# Altium PCB PCB1.PcbDoc
Units mm, origin at the board's own origin, x right, y up, seen from the top; angles counter-clockwise.
Board outline 122.04 x 124.58 mm, 2 copper layers (Top Layer, Bottom Layer); 41 components, 23 nets, 146 pads, 10 vias.
Unrouted connection lines stored in the file: 1.
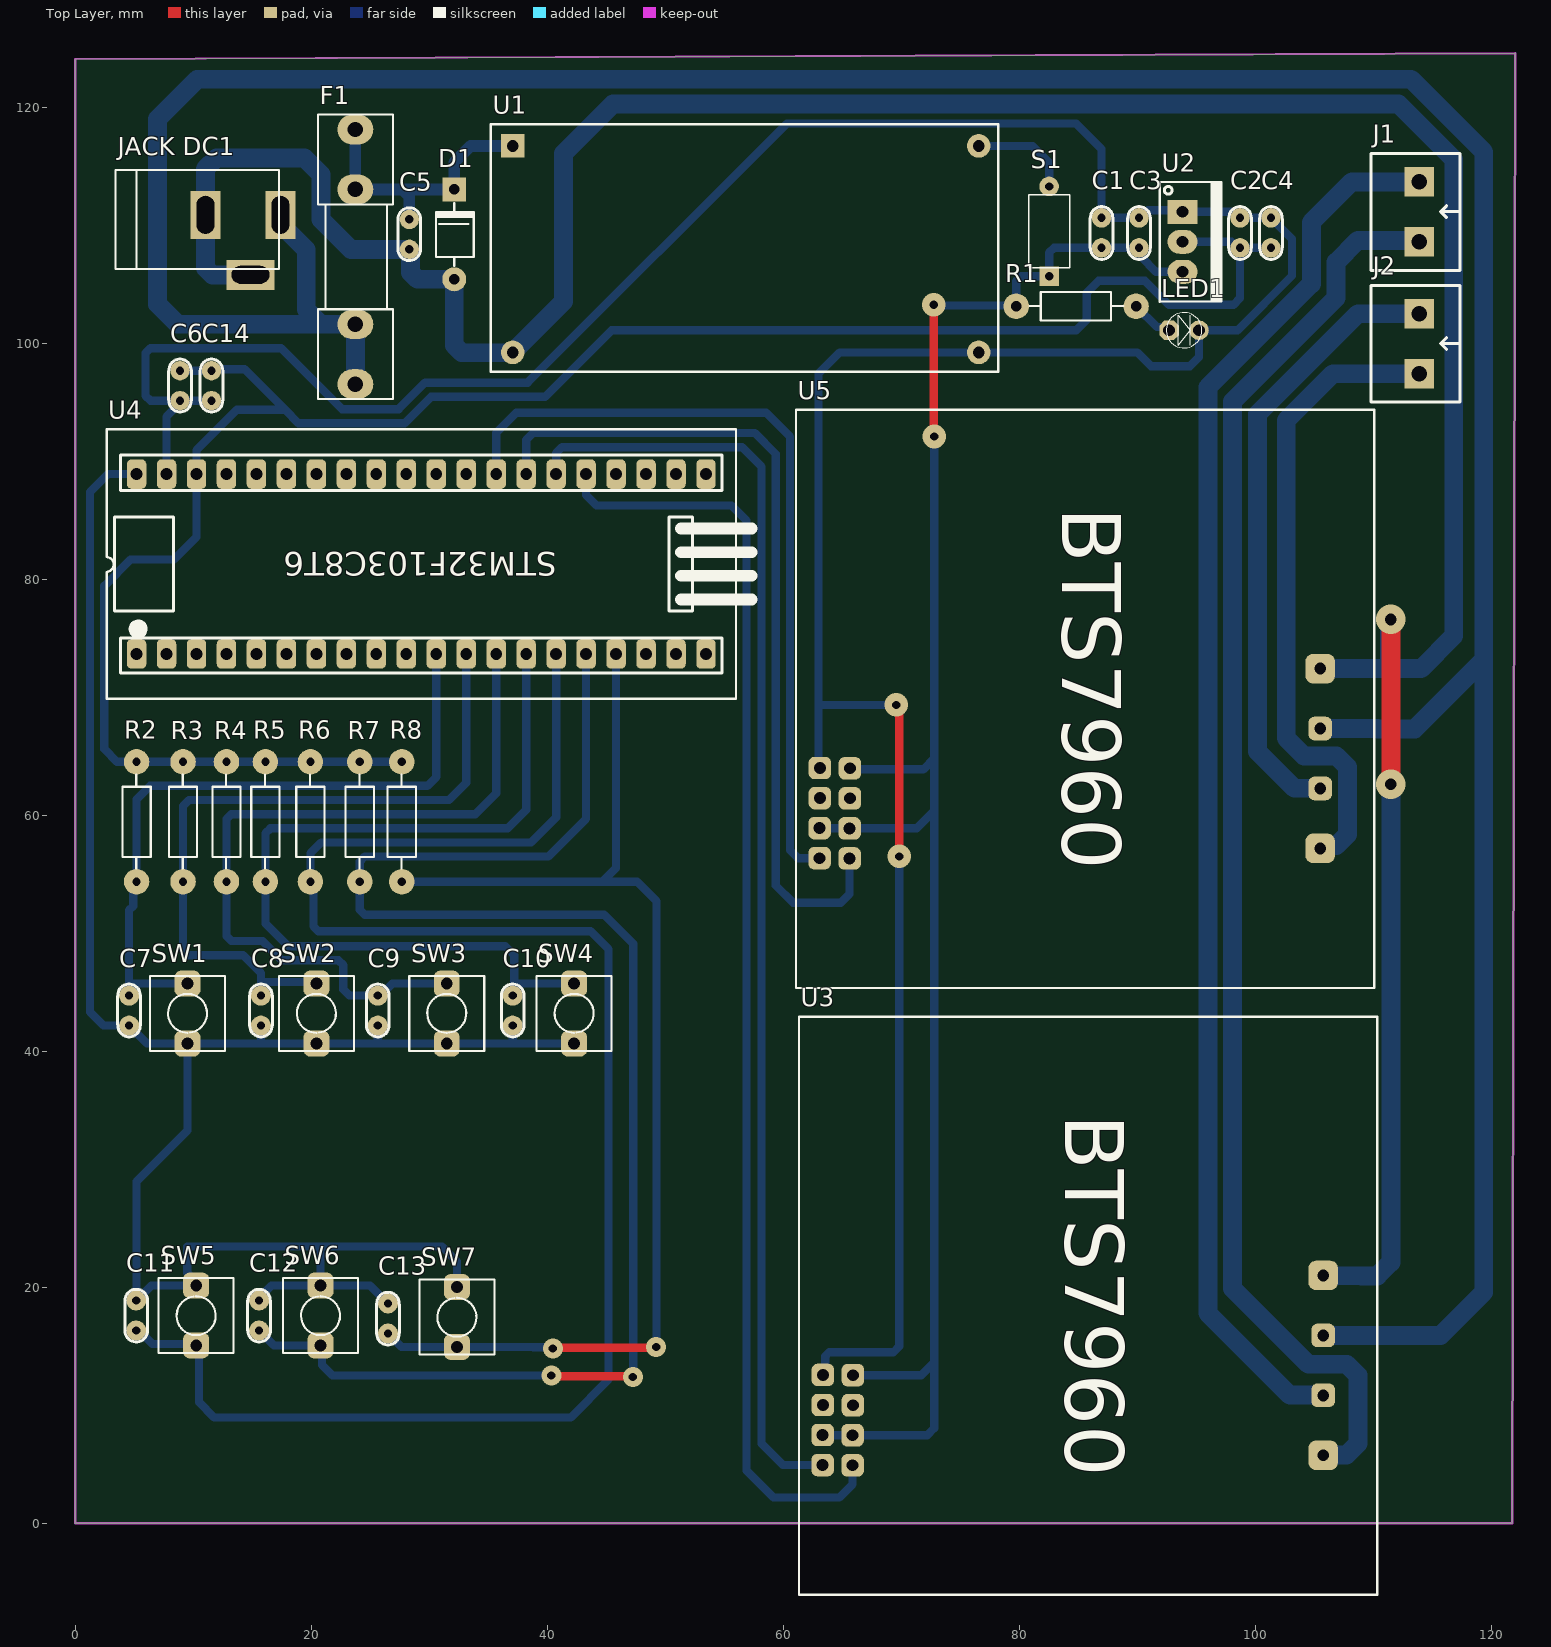
[diagram p0: Top Layer view]
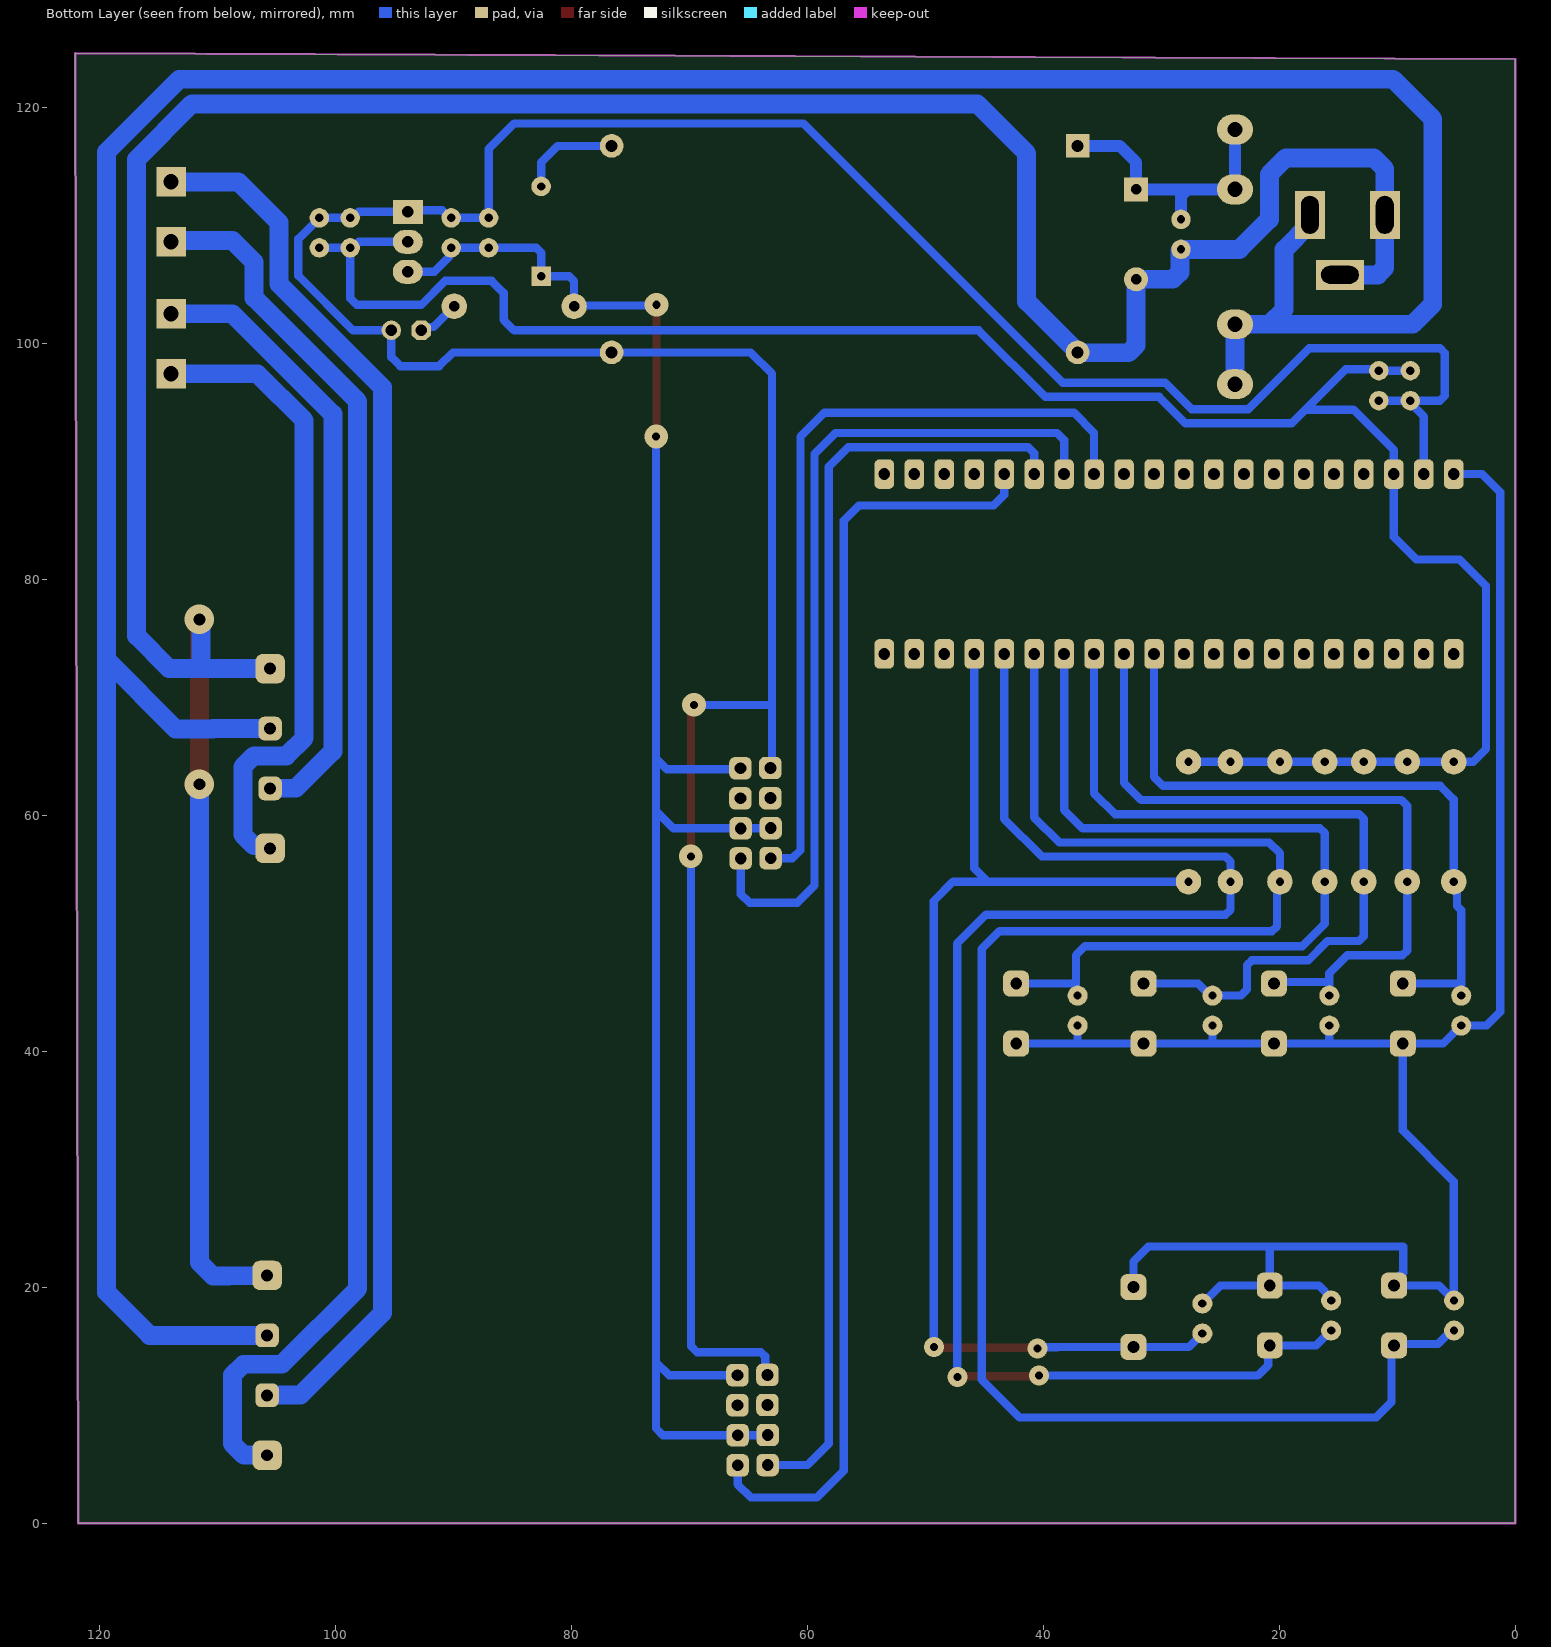
[diagram p1: Bottom Layer view, seen from below]
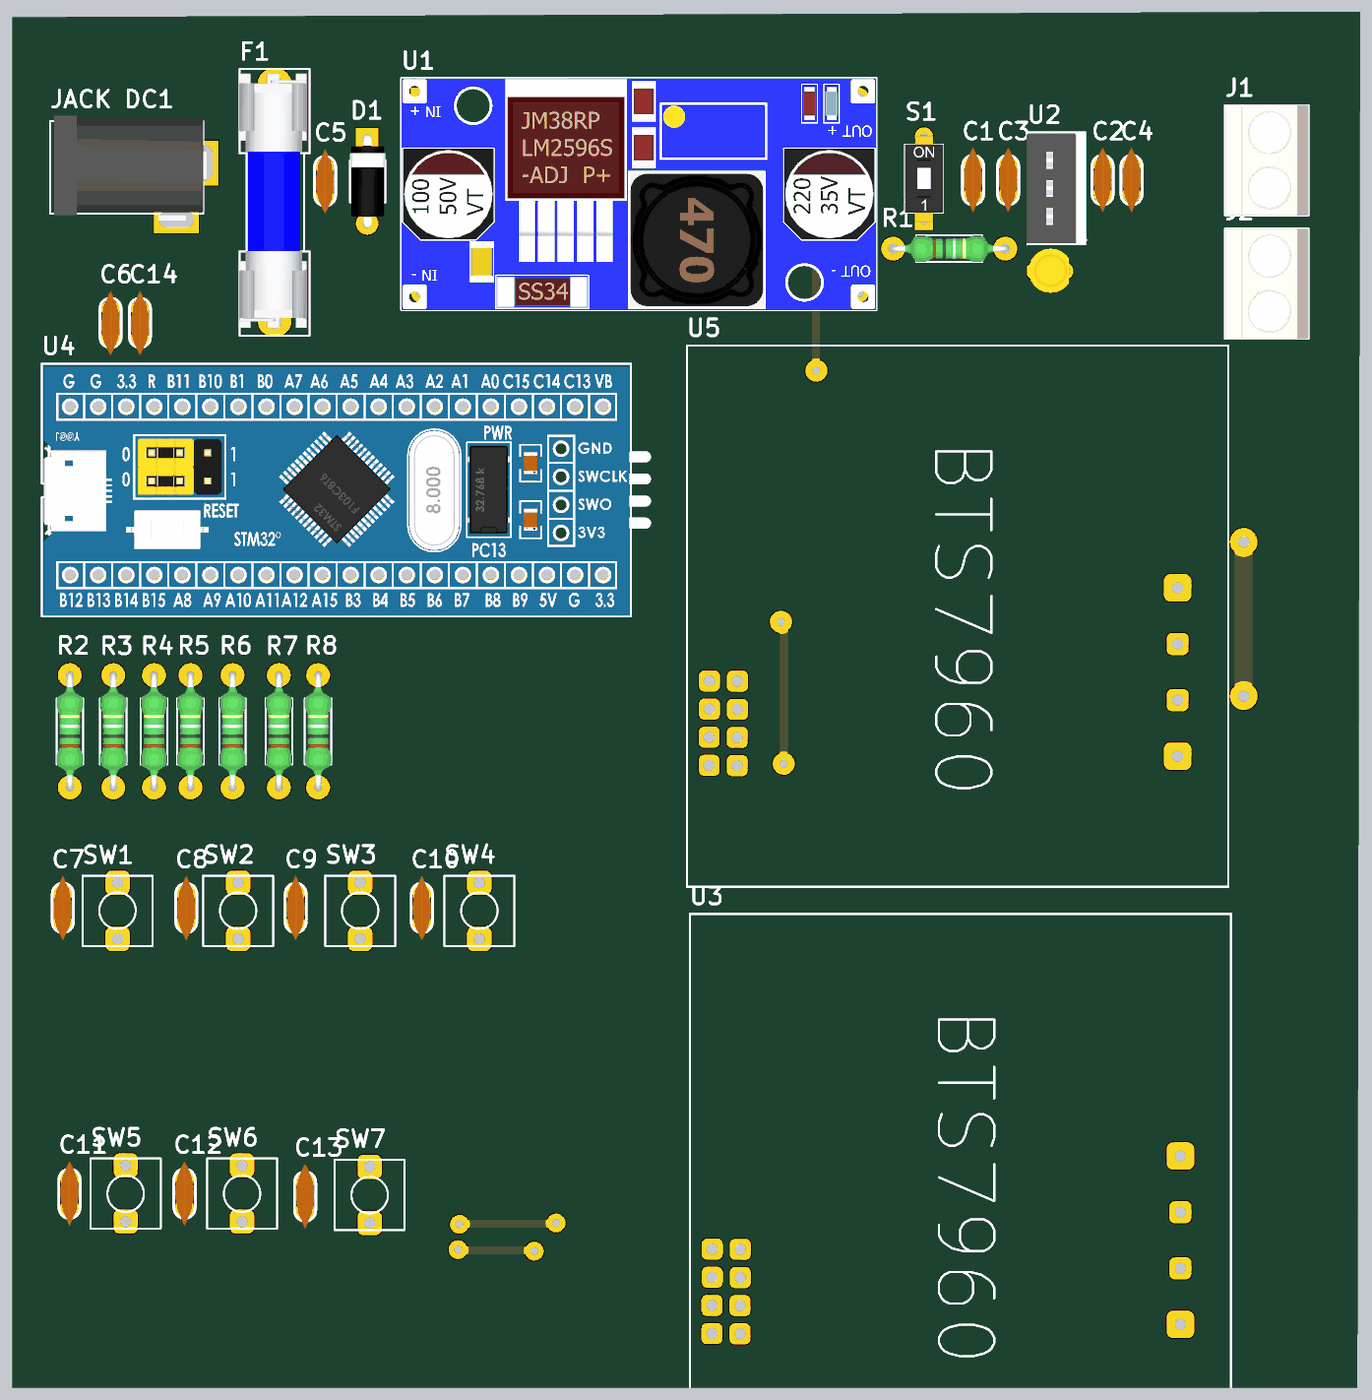
[diagram p2: 3D render of the assembled board from above, using the file's embedded part models]

## Layer stack, top to bottom
Top Solder: solder mask 0.0102, Solder Resist, Dk 3.5
Top Layer: signal copper 0.0356
Dielectric 1: dielectric 0.32, FR-4, Dk 4.8
Bottom Layer: signal copper 0.0356
Bottom Solder: solder mask 0.0102, Solder Resist, Dk 3.5

## Board outline
0,0 0,124.076 122.045,124.579 121.794,0

## Design rules (kind name [scope] priority, off if disabled: settings)
Clearance [All] p1: gap=0.5 ignorepadtopadclearanceinfootprint=FALSE
PolygonConnect [All] p1: connectstyle=Relief reliefconductorwidth=0.254 reliefentries=4 polygonreliefangle="90 Angle" airgapwidth=0.254
RoutingVias [All] p1: holewidth=0.711 width=1.27 viastyle="Through Hole" minholewidth=0.711 minwidth=1.27 maxholewidth=1.2 maxwidth=2.5
SolderMaskExpansion [All] p1: expansion=0.102 istentingtop=FALSE
Width [All] p1: maxlimit=1.7 minlimit=0.5 preferedwidth=0.7
30 further rules are at their usual default settings.

## Components (designator, comment, footprint, x,y, rotation, side; value= is the part's Value field where it differs from the comment)
C1 "106" "tu gom"#1 86.995,109.347 r90 top
C2 "106" "tu gom"#1 98.73,109.347 r90 top
C3 "104" "tu gom"#1 90.17,109.347 r90 top
C4 "104" "tu gom"#1 101.346,109.347 r90 top
C5 "104" "tu gom"#1 28.321,109.22 r270 top
C6 "104" "tu gom"#1 8.89,96.393 r270 top
C7 "104" "tu gom"#2 4.572,43.434 r270 top
C8 "104" "tu gom"#2 15.748,43.434 r270 top
C9 "104" "tu gom"#2 25.654,43.434 r270 top
C10 "104" "tu gom"#2 37.084,43.434 r270 top
C11 "104" "tu gom"#2 5.178,17.594 r90 top
C12 "104" "tu gom"#2 15.592,17.594 r90 top
C13 "104" "tu gom"#2 26.514,17.34 r90 top
C14 "104" "tu gom"#1 11.557,96.393 r270 top
D1 "Diode" DIO-1A-SMALL 32.131,104.14 r270 top value=1N5007
F1 "520" "De Cau Chi 520 630" 23.749,107.315 r90 top
J1 "KF2" KF2-5.08 113.919,111.125 r270 top
J2 "KF2" KF2-5.08 113.919,99.949 r270 top
"JACK DC1" "JACK DC 5.5" "JACK DC 5.5" 14.224,108.331 r0 top value="Jac DC"
LED1 "LED" LED-3MM-YELLOW 92.71,101.092 r0 top value="LED 3 ly Single Colour"
R1 "1K" RES-1/4W#1 84.455,103.251 r180 top
R2 "4K7" RES-1/4W#2 5.08,59.055 r270 top
R3 "4K7" RES-1/4W#2 9.017,59.055 r270 top
R4 "4K7" RES-1/4W#2 12.7,59.055 r270 top
R5 "4K7" RES-1/4W#2 16.002,59.055 r270 top
R6 "4K7" RES-1/4W#2 19.812,59.055 r270 top
R7 "4K7" RES-1/4W#2 24.003,59.055 r270 top
R8 "4K7" RES-1/4W#2 27.559,59.055 r270 top
S1 "" SW-DIP1 82.55,109.474 r0 top
SW1 "SW" SW2 9.525,45.72 r270 top value="SW chip 2 pin"
SW2 "SW" SW2 20.447,45.72 r270 top value="SW chip 2 pin"
SW3 "SW" SW2 31.496,45.72 r270 top value="SW chip 2 pin"
SW4 "SW" SW2 42.291,45.72 r270 top value="SW chip 2 pin"
SW5 "SW" SW2 10.258,15.054 r90 top value="SW chip 2 pin"
SW6 "SW" SW2 20.799,15.054 r90 top value="SW chip 2 pin"
SW7 "SW" SW2 32.356,14.927 r90 top value="SW chip 2 pin"
U1 "LM2596" "LM2596 Module" 56.832,107.963 r0 top
U2 "LM1117-3.3V" TO220-123 93.853,111.125 r270 top
U3 "BTS7960" "BTS7960 Module" 85.852,18.415 r270 top
U4 "Blue Pill" "Blue Pill STM32F103" 29.337,81.28 r90 top
U5 "BTS7960" "BTS7960 Module" 85.598,69.85 r270 top

## Footprints (in the part's own frame and the unit in brackets; to place one, negate y for a bottom-side part, rotate by r counter-clockwise, add the part's x,y. Pads: shape width x height; smd on the part's side, far side on the other; paste and mask are expansions set on the pad)
"Blue Pill STM32F103" [mm]
  rrect50% 2.5x1.65 hole 1: 1(-7.62,24.13) 2(-7.62,21.59) 3(-7.62,19.05) 4(-7.62,16.51) 5(-7.62,13.97) 6(-7.62,11.43) 7(-7.62,8.89) 8(-7.62,6.35) 9(-7.62,3.81) 10(-7.62,1.27) 11(-7.62,-1.27) 12(-7.62,-3.81) 13(-7.62,-6.35) 14(-7.62,-8.89) 15(-7.62,-11.43) 16(-7.62,-13.97) 17(-7.62,-16.51) 18(-7.62,-19.05) 19(-7.62,-21.59) 20(-7.62,-24.13) 21(7.62,-24.13) 22(7.62,-21.59) 23(7.62,-19.05) 24(7.62,-16.51) 25(7.62,-13.97) 26(7.62,-11.43) 27(7.62,-8.89) 28(7.62,-6.35) 29(7.62,-3.81) 30(7.62,-1.27) 31(7.62,1.27) 32(7.62,3.81) 33(7.62,6.35) 34(7.62,8.89) 35(7.62,11.43) 36(7.62,13.97) 37(7.62,16.51) 38(7.62,19.05) 39(7.62,21.59) 40(7.62,24.13)
  silkscreen extent -11.43,-28 11.43,26.67, body extent -11.38,-26.53 11.22,26.47, height 11.1
"BTS7960 Module" [mm] "BTS7960 Module"
  rrect50% 1.9x1.9 hole 1 unplated: 1(13.521,-19.96) 2(13.5,-22.5) 3(10.973,-19.96) 4(10.952,-22.5) 5(8.428,-19.939) 6(8.407,-22.479) 7(5.88,-19.939) 8(5.859,-22.479)
  rrect50% 2.5x2.5 hole 1 unplated: 9(-2.57,19.92) 12(12.67,19.92)
  rrect50% 2x2 hole 1 unplated: 10(2.51,19.92) 11(7.59,19.92)
  silkscreen extent -24.5,-24.5 24.5,24.5
"De Cau Chi 520 630" [mm] "De Fuse"
  oval 2.54x3.048 hole 1.3: 1(-10.795,0) 1(-5.715,0) 2(5.715,0) 2(10.795,0)
  silkscreen extent -12.06,-3.18 12.06,3.18, body extent -11.38,-2.97 11.66,3.23, height 9.6
DIO-1A-SMALL [mil] "Diode 1A, W 100mil, L 350mil"
  round 80 hole 35: 1(-50,0)
  rect 80x80 hole 35: 2(-350,0)
  silkscreen extent -305,-61 -95,65, body extent -366,-61 -34,65, height 122
"JACK DC 5.5" [mm] "Jac DC input"
  rect 2.54x4.064 hole 1.5 slot 3.2 at 90 deg: 1(3.175,2.54) 2(-3.175,2.54)
  rect 4.064x2.54 hole 1.5 slot 3.2 at 0 deg: 3(0.635,-2.54)
  silkscreen extent -10.79,-2.03 3.05,6.35, body extent -10.42,-2.67 3.4,6.84, height 11.02
KF2-5.08 [mm]
  rect 2.5x2.5 hole 1.3: 1(-2.54,0) 2(2.54,0)
  silkscreen extent -4.95,-4.08 4.95,3.43, body extent -5,-4.07 5,3.43, height 10
LED-3MM-YELLOW [mil]
  oct 65x65 hole 39.37: 1(0,0)
  round 65 hole 39.37: 2(100,0)
  silkscreen extent -9,-59 109,59, body extent -27,-77 117,80, height 181
"LM2596 Module" [mm]
  rect 2x2 hole 1: 1(-19.748,8.75)
  round 2 hole 1: 2(-19.748,-8.75) 3(19.748,-8.75) 4(19.748,8.75)
  silkscreen extent -21.6,-10.4 21.4,10.6, body extent -21.6,-10.4 21.4,10.6, height 13.1
RES-1/4W#1 [mil]
  round 85 hole 35: 1(-215,5) 2(185,5)
  silkscreen extent -173,-42 141,52, body extent -227,-42 197,52, height 95
RES-1/4W#2 [mil]
  round 85 hole 27.56: 1(-215,5) 2(185,5)
  silkscreen extent -173,-42 141,52, body extent -227,-42 197,52, height 95
SW2 [mm] "SW button 2pin, 250x 250 mil"
  rrect50% 2.2x2.2 hole 1: 1(0,0) 2(5.08,0)
  silkscreen extent -0.64,-3.17 5.72,3.18
SW-DIP1 [mm]
  rect 1.65x1.65 hole 0.7: 1(0,-3.81)
  round 1.65 hole 0.7: 2(0,3.81)
  silkscreen extent -1.74,-3.1 1.74,3.1, body extent -1.74,-3.98 1.74,3.89, height 3.95
TO220-123 [mil] "TO-220 - 1-2-3"
  rect 80x100 hole 39: 1(0,0)
  oval 80x100 hole 39: 2(100,0) 3(200,0)
  silkscreen extent -100,-76 300,130, body extent -95,-80 295,97, height 323
"tu gom"#1 [mm] "Tu gom mini"
  round 1.65 hole 0.7: 1(-1.27,0) 2(1.27,0)
  silkscreen extent -2.25,-0.97 2.22,0.97, body extent -2.92,-0.85 2.92,0.85, height 6.12
"tu gom"#2 [mm] "Tu gom mini"
  round 1.7 hole 0.7: 1(-1.27,0) 2(1.27,0)
  silkscreen extent -2.25,-0.97 2.22,0.97, body extent -2.92,-0.85 2.92,0.85, height 6.12

## Part data
C1 C2 C3 C4 C5 C6 C7 C8 C9 C10 C11 C12 C13 C14: library part "Tu gom 104 50V", "Cắm", Chung_Loai=Cắm, Don_Vi=Con, Ma_Hang=MH004761, So_Chan=2, Ten_Linh_Kien="Tụ gốm 104 100nF 50V"
D1: "Default Diode", Code - JEDEC=DO-214-AB, Published=8-Jun-2000, Publisher="Altium Limited", Revision="July-2002: Re-released for DXP Platform."
F1: library part "De Cau Chi 520 630", "5x20mm", Ma_Hang=MH001473, Ten="Đế Cầu Chì 5x20MM 6x30MM SMD01"
J1 J2: Manufacturer="Würth Elektronik eiSos GmbH", partNo=691103110002, ComponentLink1 Description=Manufacturer, ComponentLink1URL=http://www.we-online.com, ComponentLink2 Description=Datasheet, ComponentLink2URL=http://katalog.we-online.de/em/datasheet/6911031100xx.pdf, Created by="Karrer Zheng", Created Date="29 October 2013", NoPins=2
LED1: "LED Single colour Green and Red"
R1 R2 R3 R4 R5 R6 R7 R8: library part Res, "Res", Manufacturer="Generic Components", Class=Passive, Published=08/06/2000, Publisher="Altium Hobart Technology Centre", SubClass=R
S1: library part SWDIP1, "WS-DITV 2.54 mm small compact THT flat actuator with top tape", Manufacturer="Wurth Elektronik", Part No.=418127160901, ComponentLink1 Description=Manufacturer, ComponentLink1URL=http://www.we-online.com, ComponentLink2 Description=Datasheet, ComponentLink2URL=http://katalog.we-online.de/em/datasheet/4181271609xx.pdf, Created by="Baojun Chen", Created Date=Dec.2015, Pole=01
SW1 SW2 SW3 SW4 SW5 SW6 SW7: library part SW2, "Switch button 2 pin"
U1: library part "LM2596 Module", "DC - DC Buck"
U2: library part LM1117, "800mA Low-Dropout Linear Regulator", Creator="Nguyen Ba Bien", Website=http://group3i.net
U3 U5: library part "BTS7960 Module", "Driver BTS Module"
U4: library part "Blue Pill STM32F103", "Blue Pill STM32F103C8T6"

## Via types
v1: diameter 2, hole 0.7, Top Layer to Bottom Layer, 4 vias
v2: diameter 1.7, hole 0.7, Top Layer to Bottom Layer, 4 vias
v3: diameter 2.5, hole 1, Top Layer to Bottom Layer, 2 vias

## Nets (pads, with @x,y where several pads share a name; then routed paths per layer and width w, separated by ;. In a path a pad name is that pad's centre, name@x,y a point inside that pad or via, vN(x,y) a via of type N, cw(c..) or ccw(c..) an arc to the next point about the centre after c; other vN are vias at no path point)
12GND: "JACK DC1.2" "JACK DC1.3" C5.2 D1.1 U1.2 U3.9 U5.9 | length 267.8
  Top Layer w1.6: v3(111.506,62.611) v3(111.506,76.581)
  Bottom Layer w1.6: 14.859,105.791 11.635,105.791 11.049,106.377 11.049,114.76 11.986,115.697 19.431,115.697 20.828,114.3 20.828,110.49 23.368,107.95 C5.2 28.417,107.854 28.417,105.996 29.002,105.41 D1.1 32.131,99.822 32.766,99.187 37.058,99.187 U1.2 41.402,103.531 41.402,116.078 45.592,120.268 112.142,120.268 116.84,115.57 116.84,75.184 114.076,72.42 111.379,72.42 ; U5.9 111.379,72.42 ; U3.9 105.791,20.966 109.018,20.966 109.029,20.955 110.363,20.955 111.506,22.098 v3(111.506,62.611) ; v3(111.506,76.581) 111.379,76.454 111.379,72.42
+3.3: C2.1 C4.1 C6.1 C14.1 R2.1 R3.1 R4.1 R5.1 R6.1 R7.1 R8.1 U2.2 U4.38 | length 176.5
  Bottom Layer w0.7: C6.1 C14.1 11.684,97.79 14.351,97.79 17.78,94.361 ; R8.1 R7.1 R6.1 R5.1 R4.1 R3.1 3.556,64.516 2.47,65.602 2.47,79.432 4.699,81.661 8.382,81.661 10.287,83.566 U4.38 10.287,90.932 13.716,94.361 17.78,94.361 ; U2.2 98.005,108.585 98.513,108.077 C2.1 ; C4.1 C2.1 ; 17.78,94.361 18.941,93.2 27.922,93.2 30.169,95.447 39.821,95.447 45.466,101.092 84.836,101.092 85.725,101.981 85.725,104.267 86.741,105.283 90.678,105.283 92.71,103.251 98.171,103.251 98.73,103.81 C2.1
+5: C1.1 C3.1 R1.2 S1.1 U2.3 U3.3 U3.4 U3.7 U5.3 U5.4 U5.7 | length 157
  Top Layer w0.7: v1(72.771,103.251) 72.771,92.121 v1(72.807,92.085)
  Bottom Layer w0.7: U5.4 63.108,58.887 65.627,58.887 U5.3 71.323,58.877 72.807,60.361 ; U3.4 63.362,7.452 65.881,7.452 U3.3 72.212,7.442 72.807,8.037 72.807,13.625 ; U5.7 65.748,63.881 71.882,63.881 72.807,64.806 ; U3.7 71.717,12.535 72.807,13.625 ; v1(72.771,103.251) 72.834,103.188 79.692,103.188 R1.2 79.756,105.254 80.166,105.664 S1.1 82.55,107.667 82.96,108.077 C1.1 C3.1 90.323,107.924 90.323,107.335 91.613,106.045 U2.3 ; v1(72.807,92.085) 72.807,64.806 ; 72.807,13.625 72.807,60.361 ; 72.807,60.361 72.807,64.806
+12: "JACK DC1.1" F1.1 U3.10 U5.10 | length 293.3
  Bottom Layer w1.6: 17.399,110.871 17.399,110.109 19.583,107.925 19.583,102.845 20.828,101.6 ; F1.1@23.749,96.52 23.749,101.6 20.828,101.6 ; U5.10 110.352,67.34 110.382,67.31 113.538,67.31 119.38,73.152 ; U3.10 115.727,15.905 119.38,19.558 119.38,73.152 ; 20.828,101.6 8.684,101.6 6.985,103.299 6.985,118.999 10.354,122.368 113.217,122.368 119.38,116.205 119.38,73.152
A0: U3.1 U4.25 | length 108.8
  Bottom Layer w0.7: U4.25 43.307,87.122 44.196,86.233 55.626,86.233 56.896,84.963 56.896,4.445 59.182,2.159 64.77,2.159 65.892,3.281 U3.1
A1: U3.2 U4.26 | length 109.1
  Bottom Layer w0.7: U4.26@40.964,89.097 U4.26 40.767,90.678 41.275,91.186 56.515,91.186 58.166,89.535 58.166,6.731 59.982,4.915 U3.2
A2: U4.27 U5.1 | length 71.8
  Bottom Layer w0.7: U4.27 38.227,91.792 38.821,92.386 57.601,92.386 59.379,90.608 59.379,54.032 60.833,52.578 64.897,52.578 65.638,53.319 U5.1
A3: U4.28 U5.2 | length 67.8
  Bottom Layer w0.7: U4.28 35.687,92.399 37.395,94.107 58.547,94.107 60.579,92.075 60.579,57.023 61.252,56.35 U5.2
A+: J1.1 U3.11 | length 119.3
  Bottom Layer w1.6: U3.11 105.753,10.844 102.948,10.844 96.003,17.789 96.003,96.257 104.774,105.028 104.774,110.235 108.204,113.665 J1.1
A-: J1.2 U3.12 | length 121.3
  Bottom Layer w1.6: U3.12 105.791,5.764 107.745,5.764 108.712,6.731 108.712,12.525 107.775,13.462 104.521,13.462 98.103,19.88 98.103,95.055 106.874,103.826 106.874,106.874 108.712,108.712 113.792,108.712 J1.2
B3: C7.1 R2.2 SW1.1 U4.11 | length 58.5
  Bottom Layer w0.7: C7.1 4.572,45.847 ; SW1.1 4.699,45.72 4.572,45.847 ; U4.11 30.607,63.246 29.845,62.484 6.35,62.484 5.207,61.341 R2.2 4.928,54.077 4.928,52.299 4.572,51.943 4.572,45.847
B4: C8.1 R3.2 SW2.1 U4.12 | length 62
  Bottom Layer w0.7: C8.1 15.748,45.847 ; SW2.1 20.32,45.847 15.748,45.847 ; U4.12 33.147,62.738 31.693,61.284 9.652,61.284 9.144,60.776 R3.2 9.144,48.543 9.554,48.133 14.224,48.133 15.748,46.609 15.748,45.847
B5: C9.1 R4.2 SW3.1 U4.13 | length 67.9
  Bottom Layer w0.7: SW3.1 26.886,45.72 25.87,44.704 C9.1 23.241,44.704 22.733,45.212 22.733,47.285 22.323,47.695 17.537,47.695 15.899,49.333 13.237,49.333 12.827,49.743 R4.2 12.827,59.674 13.237,60.084 33.922,60.084 35.687,61.849 U4.13
B6: C10.1 R5.2 SW4.1 U4.14 | length 74.7
  Bottom Layer w0.7: C10.1 37.211,44.831 37.211,45.72 37.211,45.974 ; U4.14 38.227,60.452 36.659,58.884 16.539,58.884 16.129,58.474 R5.2 16.129,50.8 18.034,48.895 36.449,48.895 37.211,48.133 37.211,45.974 ; SW4.1 37.465,45.72 37.211,45.974
B7: C11.1 R6.2 SW5.1 U4.15 | length 151.6
  Bottom Layer w0.7: C11.1 5.395,16.324 6.538,15.181 10.131,15.181 SW5.1 10.489,14.823 10.489,10.251 11.782,8.958 42.008,8.958 45.212,12.161 45.212,48.641 43.688,50.165 20.603,50.165 20.193,50.575 20.193,54.102 R6.2 19.939,56.769 20.854,57.684 38.634,57.684 40.767,59.817 U4.15
B8: C12.1 R7.2 SW6.1 U4.16 | length 134
  Top Layer w0.7: v2(40.357,12.514) 40.425,12.446 47.195,12.446 v2(47.262,12.378)
  Bottom Layer w0.7: C12.1 16.862,15.054 SW6.1 20.926,14.927 20.926,13.403 21.815,12.514 v2(40.357,12.514) ; U4.16 43.307,59.69 40.101,56.484 24.54,56.484 24.13,56.074 24.13,51.972 24.54,51.562 44.831,51.562 47.291,49.102 47.291,12.407 v2(47.262,12.378)
B9: C13.1 R8.2 SW7.1 U4.17 | length 103.2
  Top Layer w0.7: v2(40.484,14.8) 40.548,14.863 49.184,14.863 v2(49.247,14.927)
  Bottom Layer w0.7: C13.1 27.657,14.927 SW7.1 38.803,14.927 38.821,14.909 40.375,14.909 v2(40.484,14.8) ; R8.2 44.704,54.356 ; U4.17 45.847,55.499 44.704,54.356 ; v2(49.247,14.927) 49.276,14.955 49.276,52.705 47.625,54.356 44.704,54.356
B+: J2.1 U5.11 | length 52.4
  Bottom Layer w1.6: U5.11 105.499,62.279 103.329,62.279 100.203,65.405 100.203,93.98 108.712,102.489 J2.1
B-: J2.2 U5.12 | length 54.6
  Bottom Layer w1.6: U5.12 105.545,57.18 105.769,57.404 106.886,57.404 107.823,58.341 107.823,64.087 106.886,65.024 104.14,65.024 102.64,66.524 102.64,93.448 106.602,97.409 J2.2
GND: C1.2 C2.2 C3.2 C4.2 C6.2 C7.2 C8.2 C9.2 C10.2 C11.2 C12.2 C13.2 C14.2 LED1.2 SW1.2 SW2.2 SW3.2 SW4.2 SW5.2 SW6.2 SW7.2 U1.3 U2.1 U3.8 U4.39 U4.40 U5.8 | length 454.8
  Top Layer w0.7: v1(69.596,69.342) 69.855,69.083 v1(69.855,56.502)
  Bottom Layer w0.7: U4.40 2.794,88.9 1.27,87.376 1.27,43.307 2.413,42.164 C7.2 6.096,40.64 SW1.2 ; U4.39 7.747,93.764 8.89,94.907 C6.2 ; C14.2 C6.2 ; C12.2 15.592,19.08 16.646,20.134 SW6.2 ; C8.2 15.748,40.767 15.621,40.64 ; C9.2 25.654,40.64 ; C13.2 24.99,20.134 SW6.2 ; SW7.2 32.356,22.166 31.086,23.436 20.672,23.436 ; C10.2 37.084,40.767 37.211,40.64 ; SW4.2 37.211,40.64 ; U5.8 62.992,64.118 62.992,69.342 ; U3.8 63.564,12.747 63.564,14.132 63.91,14.478 69.342,14.478 69.855,14.991 v1(69.855,56.502) ; v1(69.596,69.342) 62.992,69.342 ; C6.2 6.379,95.123 5.969,95.533 5.969,99.158 6.379,99.568 17.449,99.568 22.617,94.4 27.425,94.4 29.672,96.647 38.354,96.647 60.325,118.618 84.836,118.618 86.995,116.459 C1.2 C3.2 90.297,110.617 90.932,111.252 93.726,111.252 U2.1 98.005,111.125 98.513,110.617 C2.2 C4.2 103.124,108.839 103.124,105.711 98.505,101.092 LED1.2 95.25,98.806 94.488,98.044 91.186,98.044 90.017,99.213 U1.3 64.796,99.213 62.992,97.409 62.992,69.342 ; SW1.2 9.525,33.274 5.207,28.956 5.207,18.892 C11.2 5.184,18.864 6.454,20.134 SW5.2 10.258,20.46 9.496,21.222 9.496,23.436 20.672,23.436 ; SW1.2 15.621,40.64 ; 15.621,40.64 SW2.2 25.654,40.64 ; 20.672,23.436 20.799,23.309 SW6.2 ; 25.654,40.64 SW3.2 37.211,40.64
NetC5_1: C5.1 D1.2 F1.2 U1.1 | length 24.1
  Bottom Layer w1: F1.2@23.749,118.11 23.749,113.03 27.735,113.03 ; C5.1 28.321,112.444 27.735,113.03 ; U1.1 33.528,116.713 32.131,115.316 D1.2 27.735,113.03
NetLED1_1: LED1.1 R1.1 | length 3.6
  Bottom Layer w0.7: R1.1 91.68,101.36 92.442,101.36 LED1.1
NetS1_2: S1.2 U1.4 | length 8.6
  Bottom Layer w0.7: U1.4 81.153,116.713 82.55,115.316 S1.2
pads on no net: U3.5 U3.6 U4.1 U4.2 U4.3 U4.4 U4.5 U4.6 U4.7 U4.8 U4.9 U4.10 U4.18 U4.19 U4.20 U4.21 U4.22 U4.23 U4.24 U4.29 U4.30 U4.31 U4.32 U4.33 U4.34 U4.35 U4.36 U4.37 U5.5 U5.6

## Keep-outs
Keep-Out Layer:
  the board outline again, w0.2

## Text inside footprints (layer, text, board x,y; h text height)
U4: Top Overlay "STM32F103C8T6" at 40.837,82.28 h2 r180